# Altium PCB PCB1.PcbDoc
Units mm, origin at the board's own origin, x right, y up, seen from the top; angles counter-clockwise.
Board outline 140 x 150 mm, 2 copper layers (Top Layer, Bottom Layer); 67 components, 69 nets, 258 pads, 9 vias.
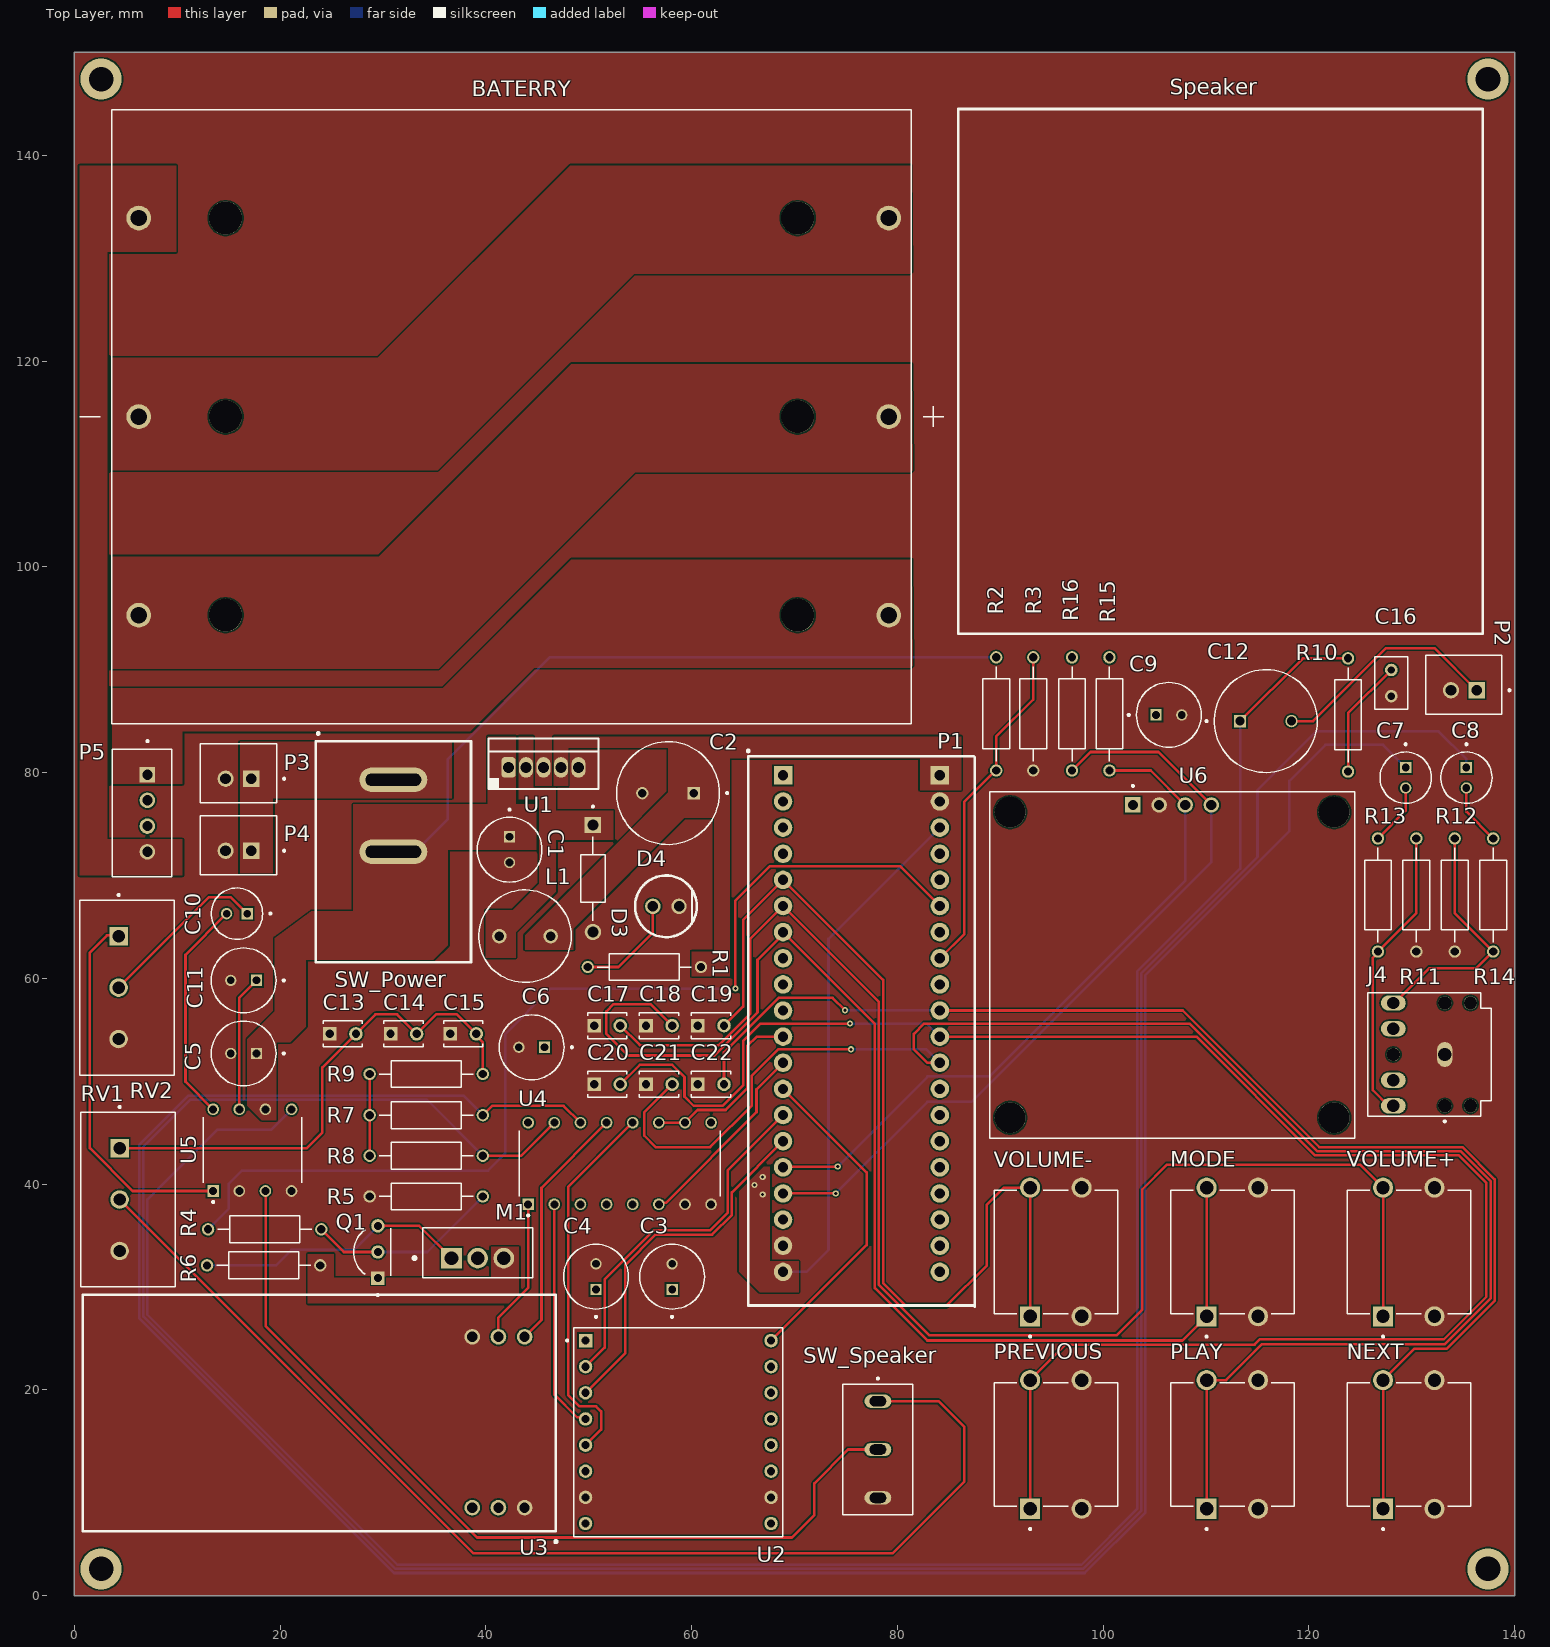
[diagram p0: Top Layer view]
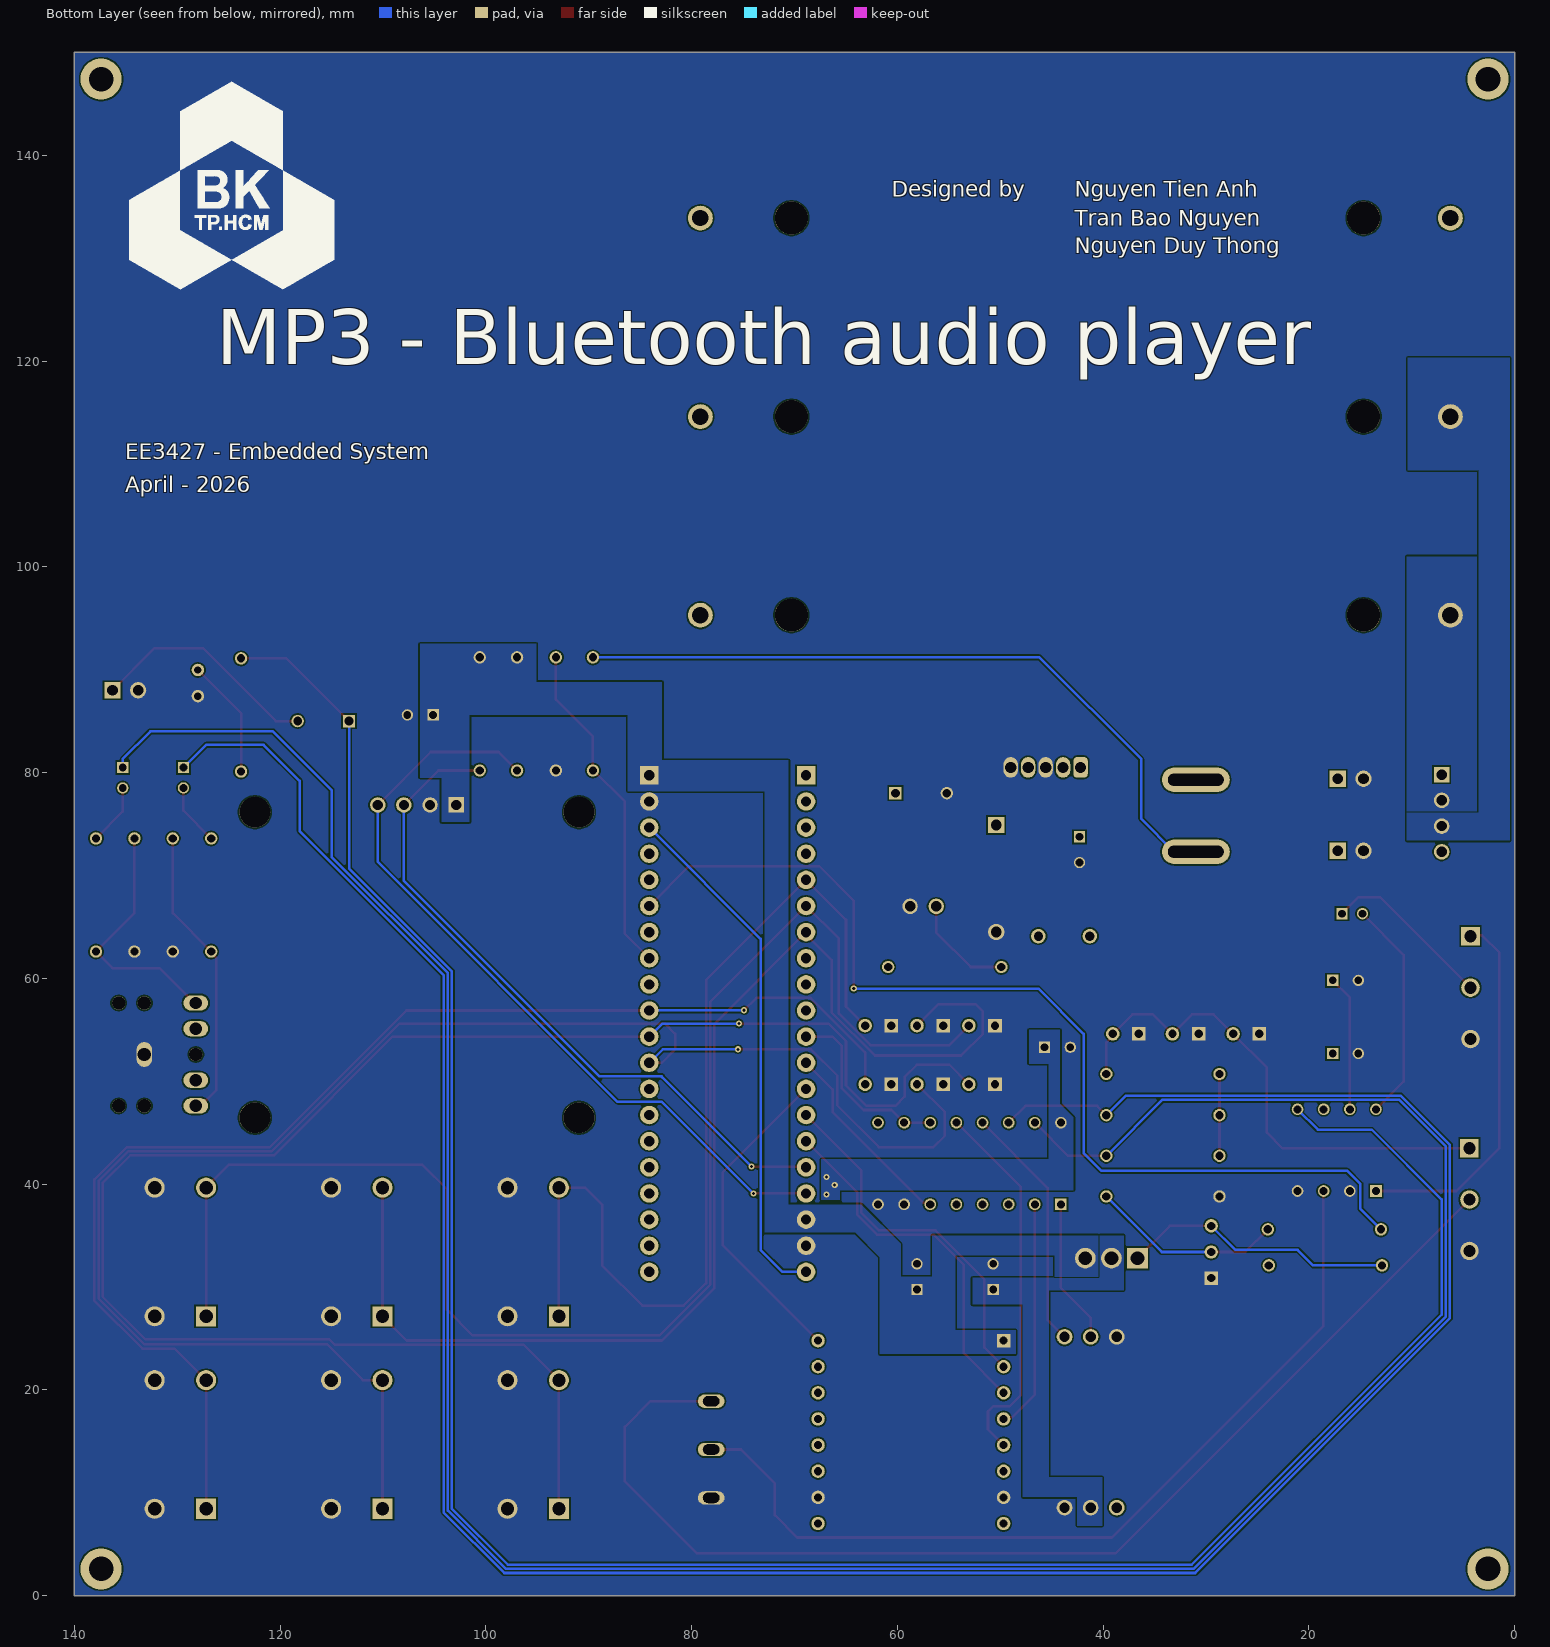
[diagram p1: Bottom Layer view, seen from below]
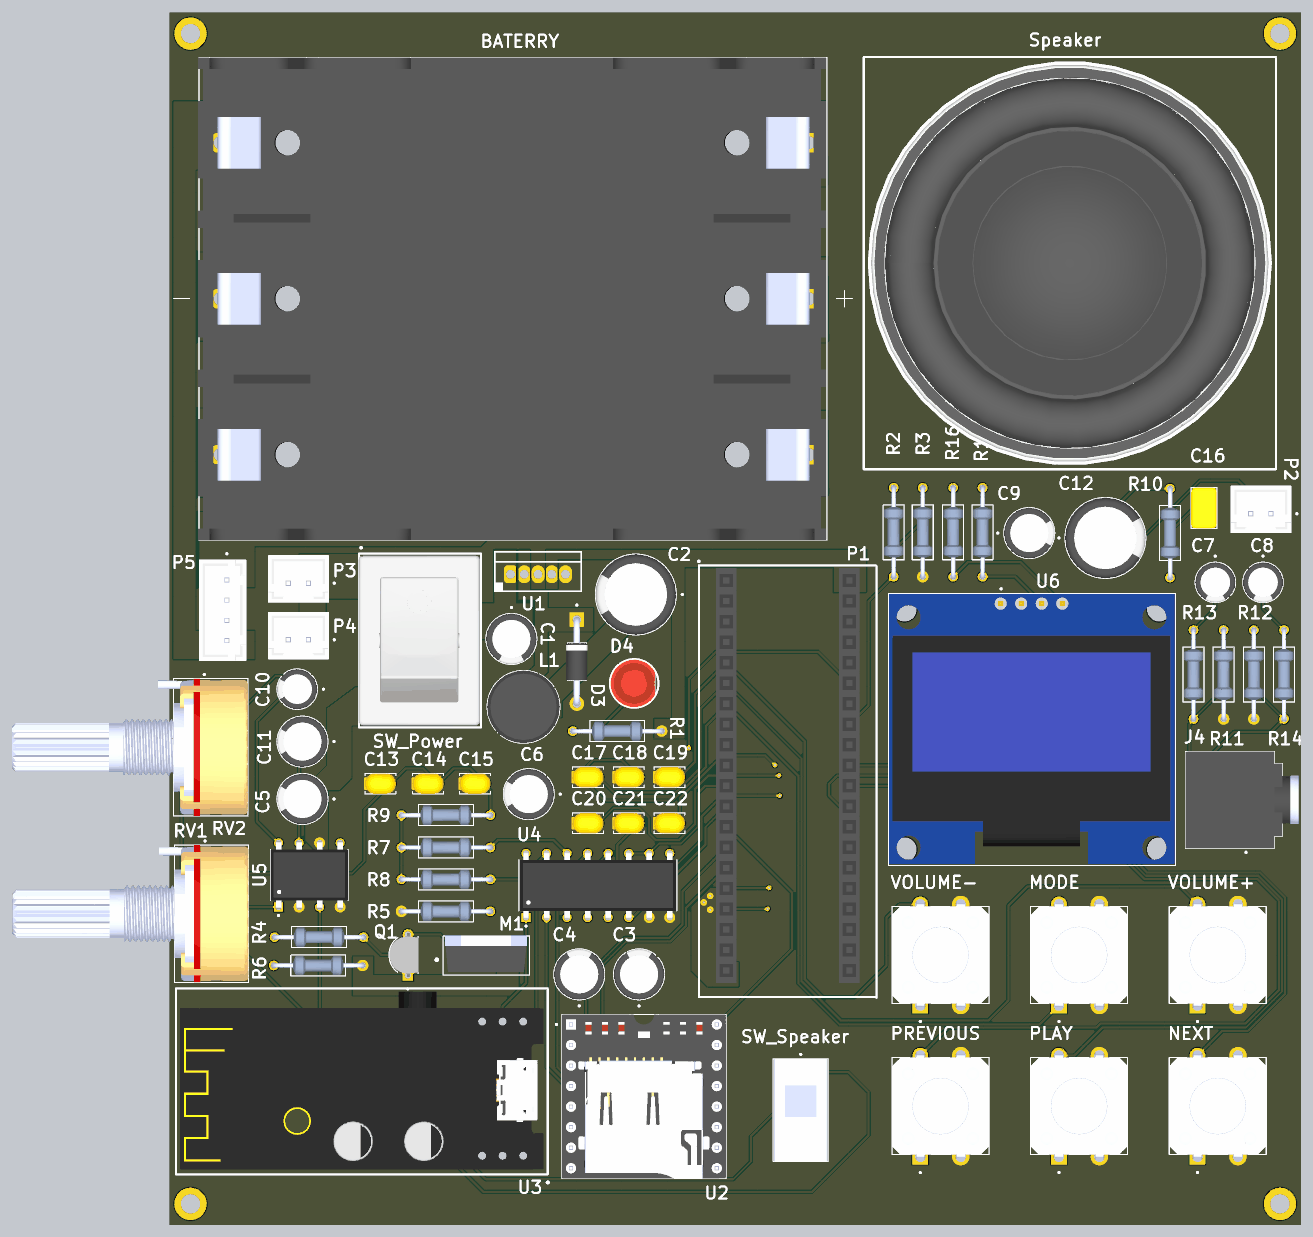
[diagram p2: 3D render of the assembled board from above, using the file's embedded part models]

## Layer stack, top to bottom
Top Solder: solder mask 0.0102, Solder Resist, Dk 3.5
Top Layer: signal copper 0.0356
Dielectric 1: dielectric 0.32, FR-4, Dk 4.8
Bottom Layer: signal copper 0.0356
Bottom Solder: solder mask 0.0102, Solder Resist, Dk 3.5

## Board outline
0,0 140,0 140,150 0,150

## Design rules (kind name [scope] priority, off if disabled: settings)
Clearance Clearance_1 [All] p1: gap=0.15 ignorepadtopadclearanceinfootprint=FALSE
Clearance [All] p2: gap=0.254 ignorepadtopadclearanceinfootprint=FALSE
HoleSize [All] p1: absolutevalues=TRUE maxlimit=5.5 minlimit=0.025 maxpercent=80.000 minpercent=20.000
MinimumSolderMaskSliver [All] p1: minsoldermaskwidth=0.09
PolygonConnect [All] p1: connectstyle=Direct reliefconductorwidth=0.254 reliefentries=4 polygonreliefangle="90 Angle" airgapwidth=0.254
RoutingVias [All] p1: holewidth=0.3 width=0.6 viastyle="Through Hole" minholewidth=0.3 minwidth=0.6 maxholewidth=0.3 maxwidth=0.6
SilkToSolderMaskClearance [IsPad] p1: minsilkscreentomaskgap=0.15 clearancetoexposedcopper=TRUE
SolderMaskExpansion [All] p1: expansion=0.102 istentingtop=FALSE
SupplyNets "Schematic Supply Nets_8" [InNet('+5V_BT')] p1: voltage=0.000
SupplyNets "Schematic Supply Nets_7" [InNet('GND')] p2: voltage=0.000
SupplyNets "Schematic Supply Nets_4" [InNet('+3.3V')] p3: voltage=0.000
SupplyNets "Schematic Supply Nets_3" [InNet('+5V')] p4: voltage=0.000
SupplyNets "Schematic Supply Nets_1" [InNet('V_POWER')] p5: voltage=0.000
Width [All] p1: maxlimit=0.25 minlimit=0.25 preferedwidth=0.25
27 further rules are at their usual default settings.

## Components (designator, comment, footprint, x,y, rotation, side; value= is the part's Value field where it differs from the comment)
BATERRY "Battery holder" BAT_BK-18650-PC6 42.5,114.6 r180 top
C1 "100 uF" CAPPRD250W50D630H1120 42.3,72.5 r270 top
C2 "1000 uF" CAPPRD500W60D1000H2500 57.7,78 r180 top
C3 "100 uF" CAPPRD250W50D630H1120 58.1,31 r90 top
C4 "100 uF" CAPPRD250W50D630H1120 50.7,31 r90 top
C5 "100 uF" CAPPRD250W50D630H1120 16.45,52.7 r180 top
C6 "100 uF" CAPPRD250W50D630H1120 44.45,53.3 r180 top
C7 "4.7 uF" CAPPRD200W50D500H1100 129.4,79.5 r270 top
C8 "4.7 uF" CAPPRD200W50D500H1100 135.3,79.5 r270 top
C9 "100 uF" CAPPRD250W50D630H1120 106.382,85.604 r0 top
C10 "10 uF" CAPPRD200W50D500H1100 15.798,66.287 r180 top
C11 "100 uF" CAPPRD250W50D630H1120 16.45,59.8 r180 top
C12 "1000 uF" CAPPRD500W60D1000H2500 115.8,85 r0 top
C13 "0.1uF" CAPRR254W54L381T254H466 26.1,54.6 r0 top
C14 "0.1uF" CAPRR254W54L381T254H466 32,54.6 r0 top
C15 "0.1uF" CAPRR254W54L381T254H466 37.8,54.6 r0 top
C16 "47nF" CAPRR254W50L508T317H508 128,88.7 r90 top
C17 "100 nF" CAPRR254W54L381T254H466 51.786,55.4 r0 top
C18 "100 nF" CAPRR254W54L381T254H466 56.83,55.4 r0 top
C19 "100 nF" CAPRR254W54L381T254H466 61.874,55.4 r0 top
C20 "100 nF" CAPRR254W54L381T254H466 51.786,49.7 r0 top
C21 "100 nF" CAPRR254W54L381T254H466 56.83,49.7 r0 top
C22 "100 nF" CAPRR254W54L381T254H466 61.874,49.7 r0 top
D3 "Schottky diode" DIOAD1039W78L463D236 50.4,69.7 r270 top
D4 "LED" LED-TH-2.54mm 57.5,67 r0 top
J4 "3.5mm female jack" CLIFF_FC68133 133.2,52.6 r180 top
L1 "100uH" IND_RLB9012-101KL 43.8,64.1 r0 top
M1 "P-MOS" TO254P1067X483X2286-3 36.66,32.8 r0 top
MODE "Tactile switch" Tactice-Switch-TH-12x12 112.55,33.4 r90 top
NEXT "Tactile switch" Tactice-Switch-TH-12x12 129.7,14.694 r90 top
P1 "2x20 female header for mounting Blackpill board" "Blackpill board mounting headers" 76.5,55.6 r0 top
P2 "JST header" JST_B2B-XH-A 135.05,88.525 r0 top
P3 "JST 2-pin header" JST_B2B-XH-A 15.95,79.925 r0 top
P4 "JST 2-pin header" JST_B2B-XH-A 15.95,72.925 r0 top
P5 "JST 4-pin header" JST_B4B-XH-A 6.575,76.05 r90 top
PLAY "Tactile switch" Tactice-Switch-TH-12x12 112.55,14.694 r90 top
PREVIOUS "Tactile switch" Tactice-Switch-TH-12x12 95.4,14.694 r90 top
Q1 "NPN" TO92254P460H750-3 29.5,33.4 r90 top
R1 "1K" RESAD1100W55L680D260 55.4,61.1 r180 top
R2 "68K" RESAD1100W55L680D260 89.6,85.7 r90 top
R3 "20K" RESAD1100W55L680D260 93.2,85.7 r90 top
R4 "4.7K" RESAD1100W55L680D260 18.5,35.6 r0 top
R5 "100K" RESAD1100W55L680D260 34.2,38.8 r0 top
R6 "100K" RESAD1100W55L680D260 18.4,32.1 r0 top
R7 "1K" RESAD1100W55L680D260 34.2,46.7 r180 top
R8 "1K" RESAD1100W55L680D260 34.2,42.75 r180 top
R9 "1K" RESAD1100W55L680D260 34.2,50.7 r0 top
R10 "10R" RESAD1100W55L680D260 123.8,85.6 r270 top
R11 "100K" RESAD1100W55L680D260 130.433,68.1 r270 top
R12 "100K" RESAD1100W55L680D260 134.167,68.1 r270 top
R13 "100R" RESAD1100W55L680D260 126.7,68.1 r90 top
R14 "100R" RESAD1100W55L680D260 137.9,68.1 r90 top
R15 "4.7K" RESAD1100W55L680D260 100.6,85.7 r90 top
R16 "4.7K" RESAD1100W55L680D260 96.967,85.7 r270 top
RV1 "Potentiometer 10K" TRIM_WH148-1A-2-18T-L20 4.4,38.5 r270 top
RV2 "Potentiometer 1K" TRIM_WH148-1A-2-18T-L20 4.3,59.1 r270 top
Speaker "Speaker" "50mm speaker" 111.4,119 r0 top
SW_Power "Rocker switch (ON-OFF)" "Rocker switch (ON-OFF)" 31,72.3 r0 top
SW_Speaker "Slide switch" SW_SLW-1276864-4A-D 78.1,14.2 r270 top
U1 "LM2576T-5.0" KC0005A 45.6,80.5 r90 top
U2 "DFplayer mini" MODULE_DFR0299 58.7,15.9 r0 top
U3 "MH-M28" MH-M28 23.8,17.854 r180 top
U4 "Analog multiplexer CD4053BE" DIP_16 53,42 r90 top
U5 "LM386" DIP_8 17.3,43.3 r90 top
U6 "OLED 1.3\" I2C" LCD_OLED_128X64_1.3_I2C 106.7,61.3 r0 top
VOLUME+ "Tactile switch" Tactice-Switch-TH-12x12 129.7,33.4 r90 top
VOLUME- "Tactile switch" Tactice-Switch-TH-12x12 95.4,33.4 r90 top

## Footprints (in the part's own frame and the unit in brackets; to place one, negate y for a bottom-side part, rotate by r counter-clockwise, add the part's x,y. Pads: shape width x height; smd on the part's side, far side on the other; paste and mask are expansions set on the pad)
"50mm speaker" [mm]
  silkscreen extent -25.5,-25.5 25.5,25.5, body extent -25,-25 25,25, height 22
BAT_BK-18650-PC6 [mm]
  round 2.4 hole 1.6: 1+(-36.65,19.3) 1-(36.25,19.3) 2+(-36.65,0) 2-(36.25,0) 3+(-36.65,-19.3) 3-(36.25,-19.3)
  round 3.2 hole 3.2 unplated: ""(-27.805,-19.3) ""(-27.805,0) ""(-27.805,19.3) ""(27.805,-19.3) ""(27.805,0) ""(27.805,19.3)
  silkscreen extent -42,-29.85 42,29.84, body extent -38.72,-29.85 38.98,29.84, height 24.74
"Blackpill board mounting headers" [mm]
  rect 1.8x1.8 hole 1: 1(-7.62,24.13) 21(7.62,24.13)
  round 1.8 hole 1: 2(-7.62,21.59) 3(-7.62,19.05) 4(-7.62,16.51) 5(-7.62,13.97) 6(-7.62,11.43) 7(-7.62,8.89) 8(-7.62,6.35) 9(-7.62,3.81) 10(-7.62,1.27) 11(-7.62,-1.27) 12(-7.62,-3.81) 13(-7.62,-6.35) 14(-7.62,-8.89) 15(-7.62,-11.43) 16(-7.62,-13.97) 17(-7.62,-16.51) 18(-7.62,-19.05) 19(-7.62,-21.59) 20(-7.62,-24.13) 22(7.62,21.59) 23(7.62,19.05) 24(7.62,16.51) 25(7.62,13.97) 26(7.62,11.43) 27(7.62,8.89) 28(7.62,6.35) 29(7.62,3.81) 30(7.62,1.27) 31(7.62,-1.27) 32(7.62,-3.81) 33(7.62,-6.35) 34(7.62,-8.89) 35(7.62,-11.43) 36(7.62,-13.97) 37(7.62,-16.51) 38(7.62,-19.05) 39(7.62,-21.59) 40(7.62,-24.13)
  silkscreen extent -11.1,-27.5 11,26.6, body extent -8.89,-25.65 8.89,25.65, height 8.51
CAPPRD200W50D500H1100 [mm]
  round 1.1 hole 0.75: N(1,0)
  rect 1.1x1.1 hole 0.75: P(-1,0)
  silkscreen extent -3.35,-2.5 2.5,2.5, body extent -2.5,-2.5 2.5,2.5, height 11
CAPPRD250W50D630H1120 [mm]
  round 1.1 hole 0.75: N(1.25,0)
  rect 1.1x1.1 hole 0.75: P(-1.25,0)
  silkscreen extent -4,-3.15 3.15,3.15, body extent -3.15,-3.15 3.15,3.15, height 11.2
CAPPRD500W60D1000H2500 [mm]
  round 1.2 hole 0.85: N(2.5,0)
  rect 1.2x1.2 hole 0.85: P(-2.5,0)
  silkscreen extent -5.85,-5 5,5, body extent -5,-5 5,5, height 25
CAPRR254W50L508T317H508 [mm]
  round 1.218 hole 0.71 mask+0.102: 1(-1.27,0) 2(1.27,0)
  silkscreen extent -2.54,-1.59 2.54,1.59, body extent -2.54,-1.59 2.54,1.59, height 5.08
CAPRR254W54L381T254H466 [mm]
  rect 1.318x1.318 / inner round 1.318 / far side rect 1.318x1.318 hole 0.81: 1(-1.27,0)
  round 1.318 hole 0.81: 2(1.27,0)
  silkscreen extent -1.91,-1.27 1.91,1.27, body extent -1.91,-1.27 1.91,1.27, height 4.66
CLIFF_FC68133 [mm]
  oval 1.5x2.416 hole 1.3 mask+0.102: 1(0,0)
  oval 2.416x1.5 hole 1.2 mask+0.102: 2(5,5) 3(5,2.5) 4(5,-2.5) 5(5,-5)
  round 1.3 hole 1.3 unplated mask+0: ""(-2.5,5) ""(-2.5,-5) ""(0,5) ""(0,-5) ""(5,0)
  silkscreen extent -4.5,-6 7.5,6.6, body extent -6.5,-6 7.5,6, height 5.5
DIOAD1039W78L463D236 [mm]
  rect 1.59x1.59 / inner round 1.59 / far side rect 1.59x1.59 hole 1.06: 1(-5.197,0)
  round 1.59 hole 1.06: 2(5.197,0)
  silkscreen extent -7.09,-1.18 4.08,1.18, body extent -5.47,-1.35 5.47,1.35, height 2.69
DIP_8 [mm]
  rect 1.13x1.13 / inner round 1.13 / far side rect 1.13x1.13 hole 0.78: 1(-3.97,3.81)
  round 1.13 hole 0.78: 2(-3.97,1.27) 3(-3.97,-1.27) 4(-3.97,-3.81) 5(3.97,-3.81) 6(3.97,-1.27) 7(3.97,1.27) 8(3.97,3.81)
  silkscreen extent -5.13,-4.79 3.18,4.79, body extent -4.15,-4.79 4.15,4.79, height 5.08
DIP_16 [mm]
  rect 1.13x1.13 / inner round 1.13 / far side rect 1.13x1.13 hole 0.78: 1(-3.97,8.89)
  round 1.13 hole 0.78: 2(-3.97,6.35) 3(-3.97,3.81) 4(-3.97,1.27) 5(-3.97,-1.27) 6(-3.97,-3.81) 7(-3.97,-6.35) 8(-3.97,-8.89) 9(3.97,-8.89) 10(3.97,-6.35) 11(3.97,-3.81) 12(3.97,-1.27) 13(3.97,1.27) 14(3.97,3.81) 15(3.97,6.35) 16(3.97,8.89)
  silkscreen extent -5.13,-9.77 3.18,9.77, body extent -4.15,-9.65 4.15,9.65, height 5.08
IND_RLB9012-101KL [mm]
  round 1.408 hole 0.9: 1(-2.5,0) 2(2.5,0)
  silkscreen extent -4.5,-4.5 4.5,4.5, body extent -4.5,-4.5 4.5,4.5, height 12.2
JST_B2B-XH-A [mm]
  rect 1.575x1.575 / inner round 1.575 / far side rect 1.575x1.575 hole 1.05: 1(1.25,-0.525)
  round 1.575 hole 1.05: 2(-1.25,-0.525)
  silkscreen extent -3.7,-2.88 4.54,2.88, body extent -3.72,-2.88 3.68,2.88, height 7
JST_B4B-XH-A [mm]
  rect 1.508x1.508 / inner round 1.508 / far side rect 1.508x1.508 hole 1: 1(3.75,-0.525)
  round 1.508 hole 1: 2(1.25,-0.525) 3(-1.25,-0.525) 4(-3.75,-0.525)
  silkscreen extent -6.2,-2.88 7.1,2.88, body extent -6.2,-2.88 6.2,2.88, height 7
KC0005A [mm] "FM, 5-Leads, Body 10.16x8.46mm, Pitch 1.7mm"
  rrect50% 2x1.4 hole 1.1: 1(0,3.4)
  oval 2x1.4 hole 1.1: 2(0,1.7) 3(0,0) 4(0,-1.7) 5(0,-3.4)
  silkscreen extent -2.13,-5.35 2.8,5.35, body extent -2.08,-5.35 2.77,5.35, height 16.51
LCD_OLED_128X64_1.3_I2C [mm]
  rect 1.508x1.508 / inner round 1.508 / far side rect 1.508x1.508 hole 1: 1(-3.81,15.55)
  round 1.508 hole 1: 2(-1.27,15.55) 3(1.27,15.55) 4(3.81,15.55)
  round 3 hole 3 unplated: ""(-15.75,-14.85) ""(-15.75,14.85) ""(15.75,-14.85) ""(15.75,14.85)
  silkscreen extent -17.75,-16.85 17.75,17.5, body extent -17.75,-16.62 17.65,16.88, height 2
LED-TH-2.54mm [mm]
  round 1.5 hole 1.02: 1(-1.27,0) 2(1.27,0)
  silkscreen extent -3,-3 3,3, body extent -2.94,-2.95 2.56,2.95, height 8.9
MH-M28 [mm]
  round 1.524 hole 1: 5V(-17.42,9.3) AGND(-14.88,-7.3) GND(-19.96,9.3) L(-19.96,-7.3) R(-17.42,-7.3) VBAT(-14.88,9.3)
  silkscreen extent -23.13,-11.4 23,12.73, body extent -22.5,-11 22.5,11, height 5.96
MODULE_DFR0299 [mm]
  rect 1.308x1.308 / inner round 1.308 / far side rect 1.308x1.308 hole 0.8: 1(-9.017,8.89)
  round 1.308 hole 0.8: 2(-9.017,6.35) 3(-9.017,3.81) 4(-9.017,1.27) 5(-9.017,-1.27) 6(-9.017,-3.81) 7(-9.017,-6.35) 8(-9.017,-8.89) 9(9.017,-8.89) 10(9.017,-6.35) 11(9.017,-3.81) 12(9.017,-1.27) 13(9.017,1.27) 14(9.017,3.81) 15(9.017,6.35) 16(9.017,8.89)
  silkscreen extent -10.9,-10.16 10.16,10.16, body extent -10.16,-10.16 10.16,10.16, height 6.25
RESAD1100W55L680D260 [mm]
  round 1.2 hole 0.8: 1(-5.5,0) 2(5.5,0)
  silkscreen extent -4.58,-1.3 4.58,1.3, body extent -5.77,-1.2 5.77,1.2, height 2.4
"Rocker switch (ON-OFF)" [mm]
  oval 6.6x2.4 hole 1.2 slot 5.4 at 0 deg: 1(0,7) 2(0,0)
  silkscreen extent -7.55,-10.75 7.55,11.6, body extent -7.6,-10.5 7.4,10.5, height 18.6
SW_SLW-1276864-4A-D [mm]
  oval 1.3x2.6 hole 1 slot 1.6 at 90 deg mask+0.102: 1(-4.7,0) 2(0,0) 3(4.7,0)
  silkscreen extent -7,-3.4 6.35,3.4, body extent -6.35,-3.3 6.35,3.3, height 10.64
Tactice-Switch-TH-12x12 [mm]
  rect 1.95x1.95 / inner round 1.95 / far side rect 1.95x1.95 hole 1.3: 1(-6.25,2.5)
  round 1.95 hole 1.3: 2(6.25,2.5) 3(-6.25,-2.5) 4(6.25,-2.5)
  silkscreen extent -8.32,-6 6,6, body extent -7,-6 7,6, height 11.7
TO254P1067X483X2286-3 [mm]
  rect 2.01x2.01 / inner round 2.01 / far side rect 2.01x2.01 hole 1.34: 1(0,0)
  round 2.01 hole 1.34: 2(2.54,0) 3(5.08,0)
  silkscreen extent -3.74,-1.89 7.88,2.95, body extent -2.6,-1.5 7.6,3, height 19.22
TO92254P460H750-3 [mm]
  rect 1.298x1.298 / inner round 1.298 / far side rect 1.298x1.298 hole 0.79 mask+0.102: 1(-2.54,0)
  round 1.298 hole 0.79 mask+0.102: 2(0,0) 3(2.54,0)
  silkscreen extent -4.29,-1.27 2.3,2.33, body extent -2.74,-1.3 2.74,2.3, height 8.41
TRIM_WH148-1A-2-18T-L20 [mm]
  rect 1.8x1.8 / inner round 1.8 / far side rect 1.8x1.8 hole 1.2 mask+0.102: 1(-5,0)
  round 1.8 hole 1.2 mask+0.102: 2(0,0) 3(5,0)
  silkscreen extent -9.1,-3.8 8.5,5.4, body extent -8.5,-23.8 8.5,5.4, height 21

## Part data
U1: library part CMP-0069-02002-3, "SIMPLE SWITCHER® 3A Step-Down Voltage Regulator, 5-pin TO-220", Manufacturer="Texas Instruments", PackageTopMarking="NSUZXYTTE#*LM2576T*-5.0 P+", PowerWise=N, Code_JEDEC=TO-220-AB, ComponentLink1Description="Datasheet URL", ComponentLink1URL=http://www.ti.com/general/docs/lit/getliterature.tsp?genericPartNumber=LM2576&fileType=pdf, CompType=Switcher, PackageDescription="TO-220, Molded, 5 Lead, Straight", PackageReference=KC0005A, PinCount=5, RoHS=N

## Free pads (board coordinates)
  round 4 hole 2.4: GND(2.6,2.6) GND(2.6,147.4) GND(137.4,2.6) GND(137.4,147.4)

## Via types
v1: diameter 0.6, hole 0.3, Top Layer to Bottom Layer, 9 vias

## Nets (pads, with @x,y where several pads share a name; then routed paths per layer and width w, separated by ;. In a path a pad name is that pad's centre, name@x,y a point inside that pad or via, vN(x,y) a via of type N, cw(c..) or ccw(c..) an arc to the next point about the centre after c; other vN are vias at no path point)
0V: BATERRY.3- P5.4
4.2V: BATERRY.2- BATERRY.3+ P5.3
8.4V: BATERRY.1- BATERRY.2+ P5.2
12.6V: BATERRY.1+ P5.1
+3.3V: C6.P P1.20 P1.23 U4.16 | length 50.8
  Bottom Layer w0.25: P1.20 71.17,31.47 73.3,33.6 73.3,63.83 P1.23
  other v1: 66.9,39 66.1,39.9 66.9,40.7
+5V: C2.P C3.P C9.P L1.2 M1.3 P1.18 P1.21 R1.1 R6.2 R15.2 R16.1 U1.4 U2.1 U6.1
+5V_BT: C4.P M1.2 U3.5V
Audio: RV1.2 SW_Speaker.1 | length 114
  Top Layer w0.25: RV1.2 38.8,4.1 79.5,4.1 86.5,11.1 86.5,16.4 84,18.9 SW_Speaker.1
AUDIO_FILTERED: C13.2 C14.2 C15.2 R9.2 RV1.1 | length 50.3
  Top Layer w0.25: RV1.1 22.6,43.5 24.1,45 24.1,51.33 C13.2 29.27,56.5 31.37,56.5 C14.2 35.17,56.5 37.17,56.5 C15.2 39.07,54.398 39.7,53.768 R9.2
AUDIO_INH: P1.12 U4.6 | length 19.1
  Top Layer w0.25: U4.6 56.965,38.185 57.485,38.185 66.3,47 66.3,49.21 P1.12
Audio_L: C7.P R7.1 U4.14 | length 264.6
  Top Layer w0.25: R7.1 40.6,47.6 47.56,47.6 U4.14
  Bottom Layer w0.25: R7.1 37.8,48.6 11.1,48.6 6.3,43.8 6.3,26.966 31.066,2.2 98.2,2.2 104.1,8.1 104.1,60.309 118.1,74.309 118.1,79.2 121.6,82.7 127.2,82.7 C7.P
AUDIO_MIXED: R7.2 R8.2 R9.1 | length 8
  Top Layer w0.25: R8.2 R7.2 R9.1
Audio_R: C8.P R8.1 U4.15 | length 270.7
  Top Layer w0.25: R8.1 43.43,42.75 U4.15
  Bottom Layer w0.25: R8.1 34.25,48.2 11.266,48.2 6.7,43.634 6.7,27.131 31.231,2.6 98.034,2.6 103.7,8.266 103.7,60.5 115,71.8 115,78.3 120.7,84 132.6,84 135.3,81.3 C8.P
AUDIO_SEL: P1.11 U4.10 U4.11 | length 17.9
  Top Layer w0.25: U4.11 U4.10 60.58,47.2 63.3,47.2 65.4,49.3 65.4,53.4 66.33,54.33 P1.11
BAT_MEASURE: P1.28 R2.1 R3.2 | length 33.1
  Top Layer w0.25: P1.28 86.5,64.33 86.5,77.177 89.523,80.2 R2.1 89.6,83.5 93.2,87.1 R3.2
BT_L: U3.L U4.13 | length 24.1
  Top Layer w0.25: U3.L 45.4,26.794 45.4,39.64 U4.13
BT_POWER: P1.26 R4.1 | length 100.6
  Top Layer w0.25: v1(64.25,59) 64.25,67.55 67.6,70.9 80.25,70.9 P1.26
  Bottom Layer w0.25: R4.1 15,37.6 15,40 16.3,41.3 40.2,41.3 41.9,43 41.9,54.6 46.3,59 v1(64.25,59)
BT_R: U3.R U4.1 | length 14.1
  Top Layer w0.25: U3.R 41.22,27.02 44.11,29.91 U4.1
DF_BUSY: P1.13 U2.16 | length 31.7
  Top Layer w0.25: U2.16 77,34.073 77,41.13 P1.13
DF_RX: P1.14 U2.2 | length 35.6
  Top Layer w0.25: U2.2 51.543,24.11 51.543,30.743 56.3,35.5 61.8,35.5 63.5,37.2 63.5,41.33 P1.14
DF_TX: P1.15 U2.3 | length 35.6
  Top Layer w0.25: U2.3 53.55,23.577 53.55,32.138 56.502,35.09 61.985,35.09 63.9,37.005 63.9,39.19 P1.15
GND: C1.N C2.N C3.N C4.N C5.N C6.N C9.N C11.N C13.1 C14.1 C15.1 C16.1 C17.1 C18.1 C19.1 C20.1 C21.1 C22.1 D3.2 D4.2 J4.1 MODE.3 MODE.4 NEXT.3 NEXT.4 P1.19 P1.22 P2.2 P3.2 P4.2 PLAY.3 PLAY.4 PREVIOUS.3 PREVIOUS.4 Q1.1 R3.1 R5.1 R11.2 R12.2 RV1.3 RV2.3 SW_Speaker.3 U1.3 U1.5 U2.7 U2.10 U3.AGND U3.GND U4.7 U4.8 U5.2 U5.4 U6.2 VOLUME+.3 VOLUME+.4 VOLUME-.3 VOLUME-.4
MODE: C18.2 MODE.1 MODE.2 P1.7 | length 122
  Top Layer w0.25: C18.2 56,57.5 52.417,57.5 51.7,56.783 51.7,54.6 53.8,52.5 62.2,52.5 66.4,56.7 66.4,61.8 68.88,64.28 P1.7 77.8,55.57 77.8,29.9 82.9,24.8 107.7,24.8 MODE.1 MODE.2
MP3_L: U2.5 U4.12 | length 36.8
  Top Layer w0.25: U2.5 51.2,16.147 51.2,17.9 50.7,18.4 49.1,18.4 48,19.5 48,39.7 U4.12
MP3_R: U2.4 U4.2 | length 22.5
  Top Layer w0.25: U4.2 46.65,19.55 48.879,17.321 49.532,17.321 U2.4
NetC7_N: C7.N R13.2 | length 6
  Top Layer w0.25: R13.2 129.4,76.3 C7.N
NetC8_N: C8.N R14.2 | length 6
  Top Layer w0.25: C8.N 135.3,76.2 R14.2
NetC10_N: C10.N U5.8 | length 21.8
  Top Layer w0.25: U5.8 10.8,49.96 10.8,62.289 C10.N
NetC10_P: C10.P RV2.2 | length 16.8
  Top Layer w0.25: RV2.2 13.1,67.9 15.184,67.9 C10.P
NetC11_P: C11.P U5.7 | length 13.2
  Top Layer w0.25: U5.7 16.03,58.13 C11.P
NetC12_N: C12.N P2.1 | length 22.6
  Top Layer w0.25: C12.N 120.4,85 127.5,92.1 132.2,92.1 P2.1
NetC12_P: C12.P R10.1 U5.5 | length 231.1
  Top Layer w0.25: C12.P 119.4,91.1 R10.1
  Bottom Layer w0.25: U5.5 19.14,45.3 13.9,45.3 7.1,38.5 7.1,27.3 31.4,3 97.869,3 103.3,8.431 103.3,60.666 113.3,70.666 C12.P
NetC16_2: C16.2 R10.2 | length 11.6
  Top Layer w0.25: R10.2 123.8,85.77 C16.2
NetD3_1: D3.1 L1.1 U1.2
NetD4_1: D4.1 R1.2 | length 10.3
  Top Layer w0.25: R1.2 52.87,61.1 56.23,64.46 D4.1
NetJ4_2: J4.2 R11.1 R13.1 | length 28.9
  Top Layer w0.25: J4.2 127.742,47.6 126.2,49.142 126.2,61.979 126.7,62.479 R13.1 130.433,66.333 R11.1
NetJ4_5: J4.5 R12.1 R14.1 | length 24.3
  Top Layer w0.25: J4.5 128.32,57.6 131.72,61 136.3,61 R14.1 134.167,66.333 R12.1
NetM1_1: M1.1 Q1.3 R6.1 | length 26.7
  Top Layer w0.25: Q1.3 33.52,35.94 M1.1
  Bottom Layer w0.25: R6.1 19.596,32.1 21.096,33.6 27.16,33.6 Q1.3
NetQ1_2: Q1.2 R4.2 R5.2 | length 18.8
  Top Layer w0.25: R4.2 26.2,33.4 Q1.2
  Bottom Layer w0.25: Q1.2 34.3,33.4 R5.2
NetRV2_1: RV2.1 U5.1 | length 36.2
  Top Layer w0.25: RV2.1 4.229,64.171 3.171,64.171 1.5,62.5 1.5,43.5 5.67,39.33 U5.1
NetSW_Speaker_2: SW_Speaker.2 U5.3 | length 86.5
  Top Layer w0.25: U5.3 18.597,39.303 18.597,26.203 39.15,5.65 69.75,5.65 71.921,7.821 71.921,10.921 75.2,14.2 SW_Speaker.2
NEXT: C22.2 NEXT.1 NEXT.2 P1.30 | length 125.9
  Top Layer w0.25: C22.2 63.144,52.796 68.448,58.1 73.7,58.1 v1(74.9,56.9) ; P1.30 107.73,56.87 121,43.6 134.9,43.6 138.05,40.45 138.05,28.65 133.4,24 130.256,24 NEXT.2 NEXT.1
  Bottom Layer w0.25: v1(74.9,56.9) 74.915,56.885 84.105,56.885 P1.30
NRST: P1.36
OLED_SCK: P1.16 R15.1 U6.3 | length 66.8
  Top Layer w0.25: P1.16 68.915,41.665 74.165,41.665 v1(74.2,41.7) ; R15.1 104.62,80.2 U6.3
  Bottom Layer w0.25: v1(74.2,41.7) 82.9,50.4 82.9,50.5 89,50.5 107.97,69.47 U6.3
OLED_SDA: P1.17 R16.2 U6.4 | length 76.9
  Top Layer w0.25: P1.17 68.885,39.095 73.995,39.095 v1(74,39.1) ; R16.2 98.767,82 105.36,82 U6.4
  Bottom Layer w0.25: v1(74,39.1) 82.9,48 87.195,48 110.51,71.315 U6.4
PA0: P1.35
PA1: P1.34
PA2: P1.33
PA3: C21.2 P1.32 PLAY.1 PLAY.2 | length 163.6
  Top Layer w0.25: C21.2 55.4,47 55.4,44.7 56.5,43.6 61.8,43.6 65.85,47.65 65.85,50.55 68.4,53.1 v1(75.5,53.1) ; P1.32 82.91,51.79 81.6,53.1 81.6,54.6 82.6,55.6 108.4,55.6 120.8,43.2 134.734,43.2 137.65,40.284 137.65,28.884 133.216,24.45 115.45,24.45 111.944,20.944 PLAY.2 PLAY.1
  Bottom Layer w0.25: v1(75.5,53.1) 82.81,53.1 P1.32
PA4: C20.2 P1.31 PREVIOUS.1 PREVIOUS.2 | length 171.3
  Top Layer w0.25: C20.2 54.956,51.6 58.1,51.6 59.3,50.4 59.3,48.5 60.2,47.6 63,47.6 65,49.6 65,53.9 66.7,55.6 v1(75.4,55.6) ; P1.31 109.07,54.33 120.6,42.8 134.569,42.8 137.25,40.119 137.25,29.05 133.1,24.9 115.208,24.9 114.708,24.4 96.356,24.4 PREVIOUS.2 PREVIOUS.1
  Bottom Layer w0.25: v1(75.4,55.6) 82.85,55.6 P1.31
PA6: P1.29
PA8: C19.2 P1.5 VOLUME-.1 VOLUME-.2 | length 95.7
  Top Layer w0.25: C19.2 65,57.256 65,65.69 P1.5 78.6,59.85 78.6,30.378 80.795,28.183 84.783,28.183 88.7,32.1 88.7,38 90.35,39.65 VOLUME-.2 VOLUME-.1
PA9: C17.2 P1.6 VOLUME+.1 VOLUME+.2 | length 145.4
  Top Layer w0.25: C17.2 54.956,53.5 62.634,53.5 65.7,56.566 65.7,63.85 P1.6 78.2,57.71 78.2,30.212 83.112,25.3 101.3,25.3 103.8,27.8 103.8,39.5 106.2,41.9 124.95,41.9 VOLUME+.2 VOLUME+.1
PA11: P1.8
PA12: P1.9
PA15: P1.10
PB0: P1.27
PB2: P1.25
PB10: P1.24
PB12: P1.1
PB13: P1.2
PB14: P1.3
PB15: P1.4
PC13: P1.39
PC14: P1.38
PC15: P1.37
V_BAT: P3.1 P4.1 SW_Power.1 | length 2.1
  Bottom Layer w0.25: SW_Power.1 SW_Power.1@33.1,79.3
V_POWER: C1.P C5.P R2.2 SW_Power.2 U1.1 U5.6 | length 69.8
  Bottom Layer w0.25: SW_Power.2 33.1,72.3 36.3,75.5 36.3,81.3 46.2,91.2 R2.2
VB: P1.40
pads on no net: BATERRY. J4. J4.3 J4.4 U2.6 U2.8 U2.9 U2.11 U2.12 U2.13 U2.14 U2.15 U3.VBAT U4.3 U4.4 U4.5 U4.9 U6.

## Polygon pours and split planes (outlines as drawn)
GND on Top Layer "GND_L02_P010" (solid, pour order 66): 0,150 140,150 140,0 0,0
V_POWER on Top Layer "GND_L02_P010" (solid, pour order 6): 27.1,69.8 36.3,69.8 36.3,72.5 44.9,72.5 44.9,76.9 42.9,76.9 42.9,83.5 40.2,83.5 40.2,76.9 27.1,76.9
+5V on Top Layer "GND_L02_P010" (solid, pour order 22): 46.6,78.7 46.6,83.5 62.2,83.5 62.2,80.5 57.7,80.5 57.7,82.4 48.3,82.4 48.2,82.4 48,82.4 48,78.7
NetD3_1 on Top Layer "GND_L02_P010" (solid, pour order 18): 43.2,83.5 43.2,77.4 45.2,77.4 45.2,69.2 42.6,66.6 40,66.6 40,62 42.9,62 42.9,64.5 46.8,68.4 46.8,78.5 44.6,78.5 44.6,83.5
0V on Top Layer "GND_L02_P010" (solid, pour order 54): 9.9,139 0.5,139 0.5,70 10.5,70 10.5,73.5 3.2,73.5 3.2,130.6 9.9,130.6
12.6V on Top Layer "GND_L02_P010" (solid, pour order 53): 3.7,84 3.7,78.9 10.5,78.9 10.5,84
12.6V on Top Layer "12.6V_L01_P052" (solid, pour order 52): 81.387,100.7 48.3,100.7 35.8,88.2 3.7,88.2 3.7,84 38.5,84 44.7,90.2 81.477,90.2
8.4V on Top Layer "GND_L02_P010" (solid, pour order 51): 81.387,119.7 48.3,119.7 29.6,101 3.7,101 3.7,90.1 35.4,90.1 54.5,109.2 81.477,109.2
4.2V on Top Layer "GND_L02_P010" (solid, pour order 50): 81.287,139 48.2,139 29.5,120.3 3.6,120.3 3.6,109.4 35.3,109.4 54.4,128.5 81.377,128.5
V_BAT on Top Layer "GND_L02_P010" (solid, pour order 49): 16.1,83 36.7,83 36.7,77.5 19.3,77.5 19.3,70.2 16.1,70.2
+3.3V on Top Layer "GND_L02_P010" (solid, pour order 46): 67,41.7 64.6,39.3 64.6,31.5 66.6,29.5 70.4,29.5 70.4,32.5 67.6,32.5 67.6,41.7
V_POWER on Top Layer "GND_L02_P010" (solid, pour order 43): 16.8,53.8 16.8,54.1 19.5,56.8 19.5,57.4 19.5,63.9 23,66.5 27.1,66.5 27.1,69.8 36.3,69.8 36.3,63.2 34.9,61.8 22.5,61.8 22.5,55.3 21,53.8
V_POWER on Top Layer "GND_L02_P010" (solid, pour order 41): 16.8,53.8 16.8,47.6 18.2,46.2 19.6,46.2 19.6,53.7 19.6,53.8
+5V on Top Layer "GND_L02_P010" (solid, pour order 19): 43.8,62.8 48.5,62.8 48.5,64.8 59.3,75.6 62.2,75.6 62.2,80.5 57.7,80.5 57.7,78.1 43.8,64.2
NetD3_1 on Top Layer "GND_L02_P010" (solid, pour order 20): 46.8,76.3 52.4,76.3 52.4,73.4 52.35,73.45 46.8,73.45
+5V on Top Layer "GND_L02_P010" (solid, pour order 23): 62.2,83.5 86.2,83.5 86.2,78.3 82.2,78.3 82.2,81.4 81.8,81.4 62.2,81.4
+5V on Top Layer "GND_L02_P010" (solid, pour order 32): 22.7,33.2 22.7,28.4 43.2,28.4 43.2,33.9 40.5,33.9 40.5,30.9 25.2,30.9 25.2,33.2
+5V on Top Layer "GND_L02_P010" (solid, pour order 33): 62.2,81.4 63.7,81.4 63.7,60.2 60,60.2 60,62.6 62.2,62.6 62.2,75.6
GND on Bottom Layer "GND_L02_P010" (solid, pour order 63): 0,150 140,150 140,0 0,0
+3.3V on Bottom Layer "GND_L02_P010" (solid, pour order 57): 65.6,39.4 67.4,39.4 67.4,38.5 65.6,38.5
8.4V on Bottom Layer "GND_L02_P010" (solid, pour order 56): 3.7,101 10.5,101 10.5,76.1 3.7,76.1
4.2V on Bottom Layer "GND_L02_P010" (solid, pour order 55): 10.4,120.3 0.5,120.3 0.5,73.4 10.5,73.4 10.5,76.1 3.5,76.1 3.5,109.3 3.4,109.4 10.4,109.4
+3.3V on Bottom Layer "GND_L02_P010" (solid, pour order 44): 44.2,55 44.2,47.8 42.9,46.5 42.9,39.4 67.4,39.4 67.4,42.4 45.3,42.4 45.3,51.7 47.2,51.7 47.2,55
+5V on Bottom Layer "GND_L02_P010" (solid, pour order 24): 67.2,35.3 72.9,35.3 72.9,78.2 86.2,78.2 86.2,81.2 70.6,81.2 70.6,38 67.2,38
+5V on Bottom Layer "GND_L02_P010" (solid, pour order 26): 56.6,28.5 61.7,28.5 61.7,32.9 64.1,35.3 67.2,35.3 67.2,38 63.5,38 59.7,34.2 59.7,31 56.6,31
+5V on Bottom Layer "GND_L02_P010" (solid, pour order 27): 56.6,35 40.5,35 40.5,31 44.7,31 44.7,33.1 54.4,33.1 54.4,28.5 56.6,28.5
+5V_BT on Bottom Layer "GND_L02_P010" (solid, pour order 28): 38,35 38,29.7 45.3,29.7 45.3,29.4 45.3,11.5 40.1,11.5 40.1,6.8 42.5,6.8 42.5,9.6 47.8,9.6 47.8,28.3 52.7,28.3 52.7,30.9 40.5,30.9 40.5,35
+5V on Bottom Layer "GND_L02_P010" (solid, pour order 31): 54.4,28.5 54.4,25.8 48.5,25.8 48.5,23.5 61.7,23.5 61.7,23.8 61.7,28.5
+5V on Bottom Layer "GND_L02_P010" (solid, pour order 38): 82.9,81.2 82.9,88.8 95.1,88.8 95.1,92.5 106.4,92.5 106.4,89.5 98.9,89.5 98.9,85.6 86.3,85.6 86.2,85.6 86.2,81.2
+5V on Bottom Layer "GND_L02_P010" (solid, pour order 39): 98.9,89.5 106.4,89.5 106.4,79.5 104.3,79.5 104.3,75.2 101.6,75.2 101.6,85.6 98.9,85.6

## Silkscreen, mask and mechanical layers (free items; w line width, h text height)
Bottom Overlay:
  drawing of 9 lines, arcs and shapes, not listed
  text "Nguyen Tien Anh" at 42.746,135.962 h1.52
  text "Designed by" at 60.546,135.962 h1.52
  text "Tran Bao Nguyen" at 42.746,133.162 h1.52
  text "Nguyen Duy Thong" at 42.746,130.462 h1.52
  text "MP3 - Bluetooth audio player" at 126.2,117.92 h9.14
  text "EE3427 - Embedded System" at 135.046,110.462 h1.52
  text "April - 2026" at 135.046,107.262 h1.52